# KiCad board NoU2-panelized.kicad_pcb (continued)
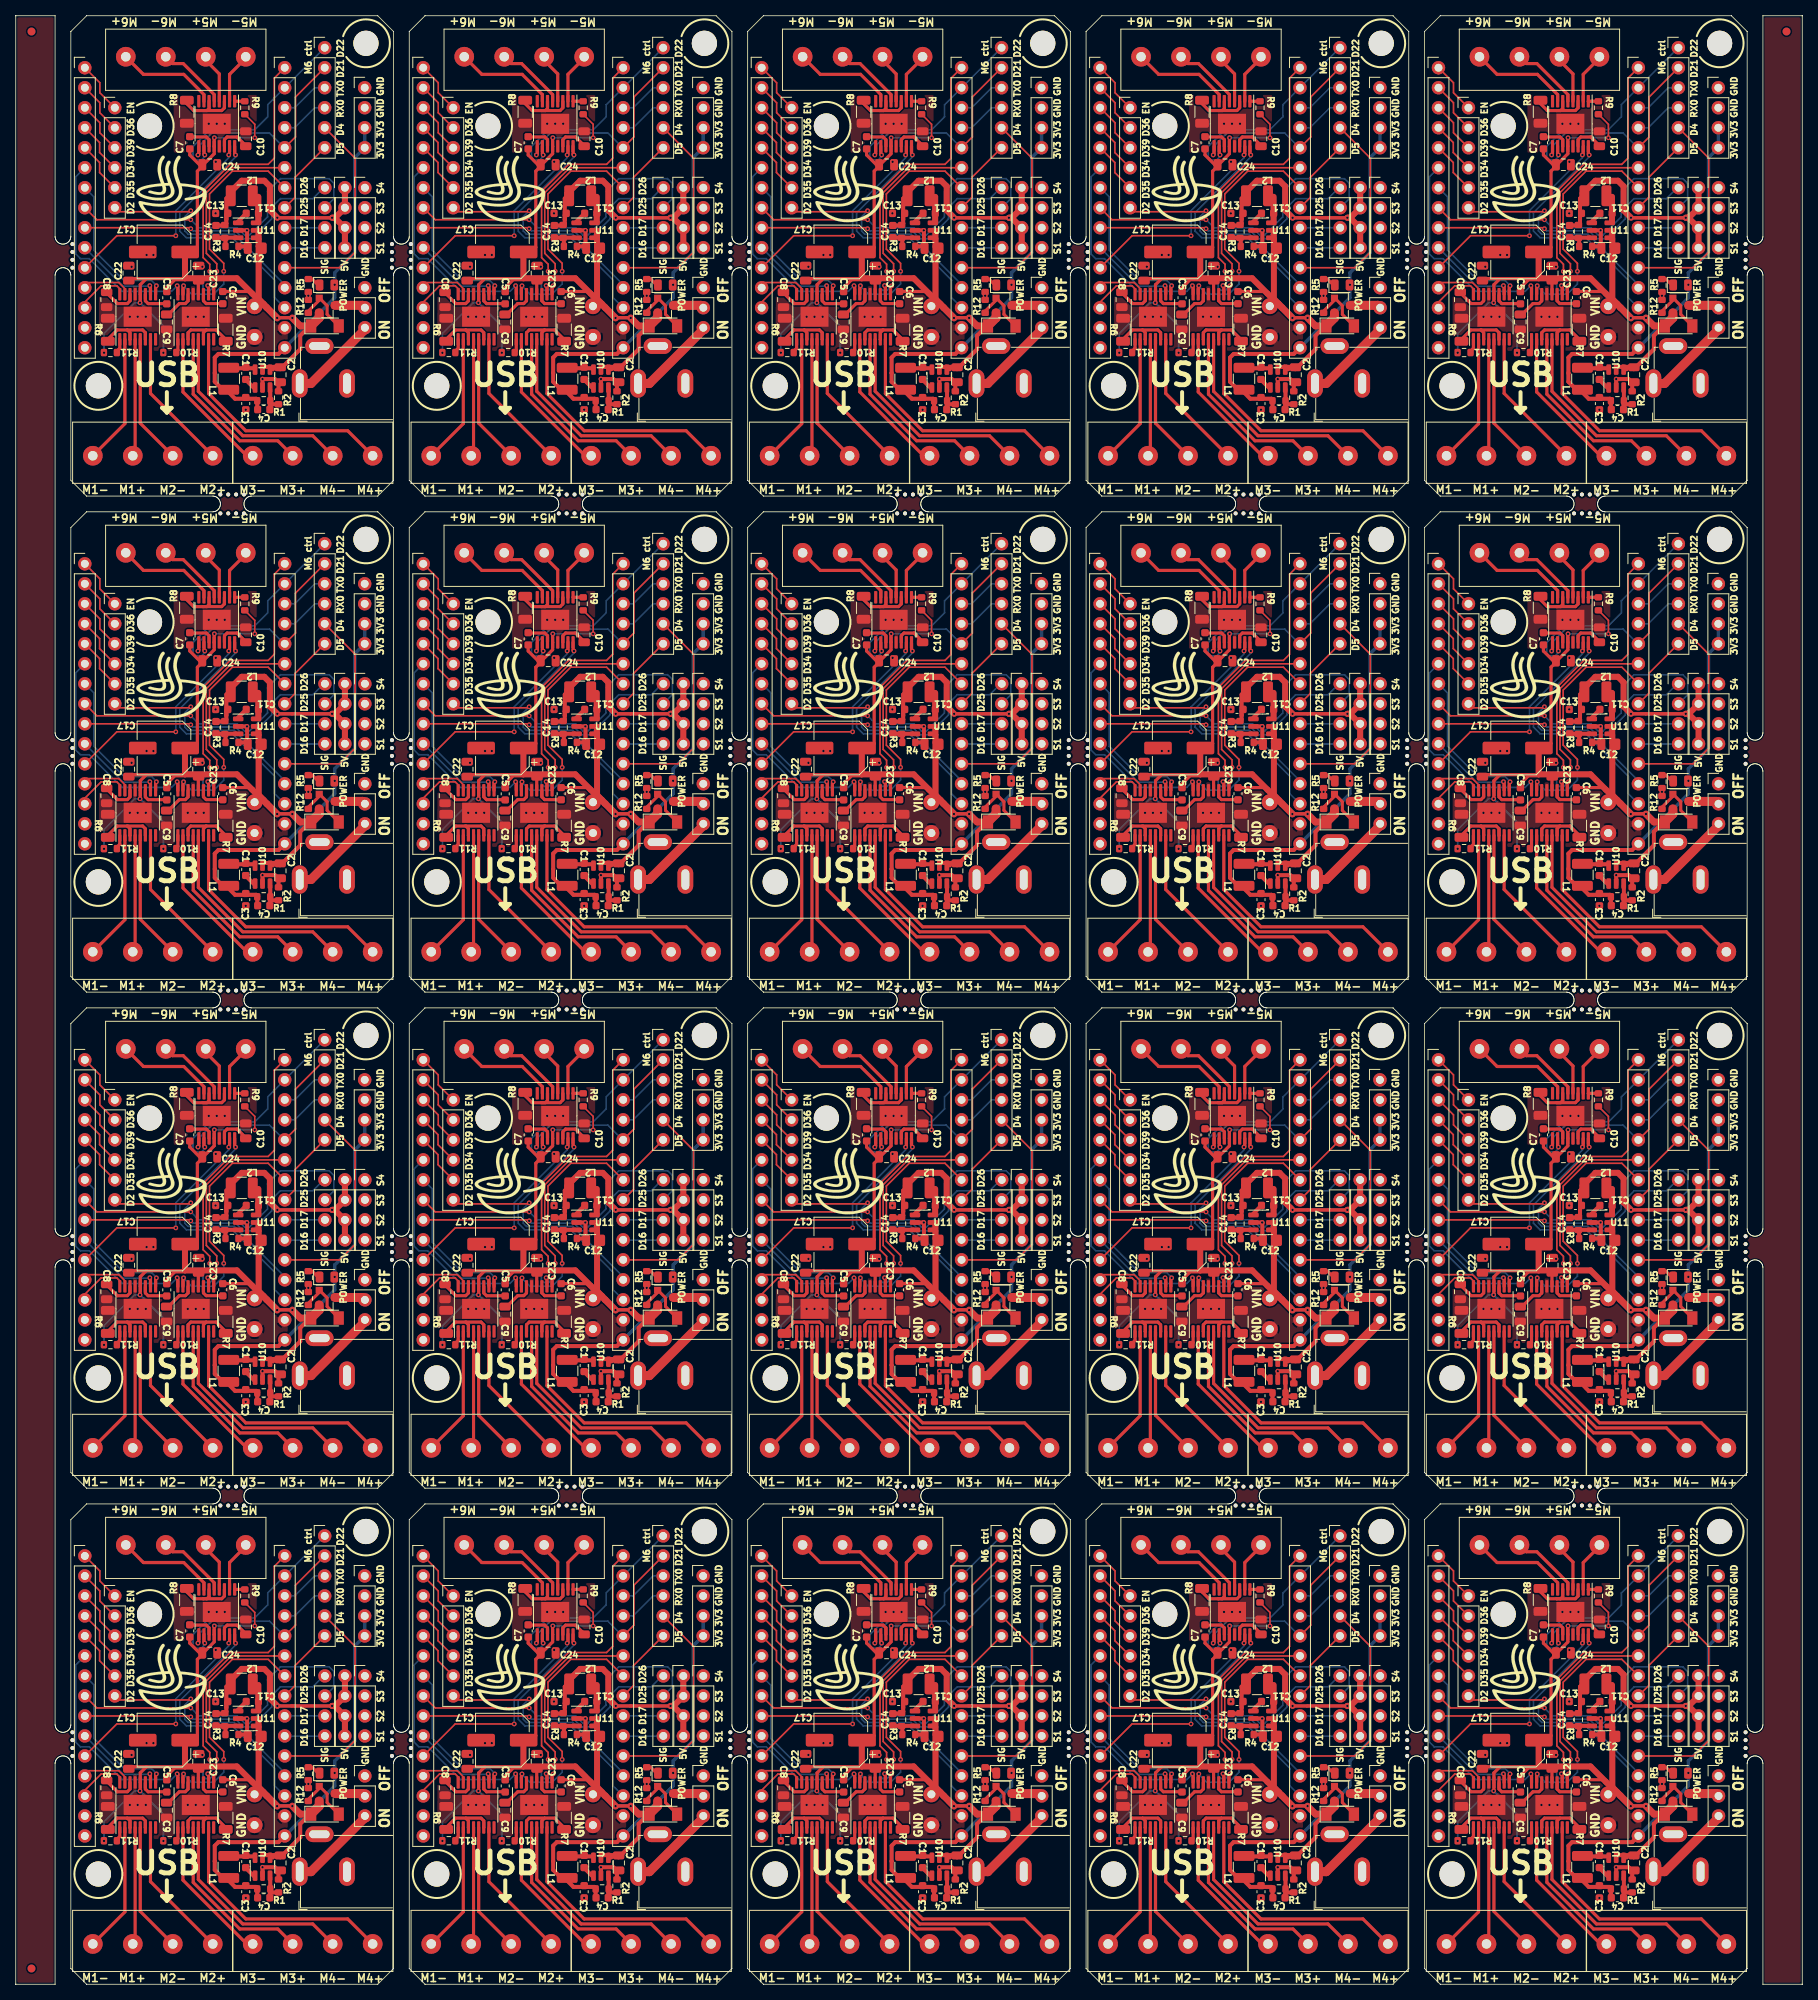
[diagram p0: board, top side]
## Routing (per net, layer and track width the routed paths; a pad name or vN(x,y) marks a point on that pad's centre or on a via; arc(x,y) is an arc through that point) (continued)
Board_6-Net-(R6-Pad2): length 7.8
  Top w0.399: 57.18,147.1 55.89,147.1 54.7,145.91 R6#3.2 ; 57.18,147.1 57.52,146.75 U1#11.3 57.52,145.91 ; 57.18,147.1 59.13,147.1 59.47,146.75 U1#11.6 59.47,145.91
Board_6-Net-(R7-Pad2): length 7.8
  Top w0.399: 67.19,147.1 68.47,147.1 69.69,145.89 R7#8.2 ; 67.19,147.1 66.85,146.75 U3#13.6 66.84,145.9 ; 67.19,147.1 65.24,147.1 64.9,146.75 U3#13.3 64.9,145.91
Board_6-Net-(R8-Pad2): length 8.5
  Top w0.399: U2#10.6 67.57,175.23 67.3,174.96 66.79,174.96 ; 66.79,174.96 69.17,174.96 69.52,175.3 U2#10.3 ; 66.79,174.96 65.61,174.96 64.73,175.83 64.73,176.4
Board_6-Net-(R9-Pad1): length 1.3
  Top w0.399: R9#17.1 70.82,176.14 U2#10.1
Board_6-Net-(R10-Pad1): length 1.7
  Top w0.399: U3#13.1 63.6,144.53 63.4,144.33
Board_6-Net-(R11-Pad1): length 1.8
  Top w0.399: U1#11.1 56.22,144.77 55.78,144.33
Board_6-RX0: length 6.1
  Bottom w0.203: J1#2.4 80.99,175.32 78.45,172.78 J11#13.4
Board_6-TX0: length 6.1
  Bottom w0.203: J11#13.3 78.45,175.32 80.99,177.86 J1#2.3
Board_6-VIN: length 111
  Top w0.203: R9#17.2 73.37,173.22 v1(73.37,171.51)
  Top w0.25: J14#11.1 74.71,150.12 74.9,149.93
  Top w0.399: 73.04,151.72 72.78,151.98 C6#10.1 ; C24#14.1 66.36,168.08 65.11,169.32 C7#11.1 ; C24#14.1 66.7,167.89 66.08,167.26 66.08,157.59 65.49,157 C17#11.1 ; C24#14.1 66.82,168.08 68.22,169.48 U2#10.12 68.21,170.43 68.21,171.51 ; 62.19,151.96 62.19,152.46 63.16,153.42 ; C22#14.1 57.6,153.6 ; 72.01,174.4 R9#17.2 ; 57.65,153.62 59.62,153.62 ; U3#13.12 66.2,153.36 66.21,153.36 ; 58.81,150.55 58.82,150.56 U1#11.12 58.82,152.84 59.6,153.62 64.54,153.62 ; 64.49,153.47 63.31,153.47
  Top w0.432: v1(78.14,148.62) 78.11,148.65 76.25,148.65 v1(76.21,148.62)
  Top w0.508: 76.6,142.11 76.77,142.28 76.78,142.28 79.15,144.65 79.15,146.37 80.38,147.6 D2#10.1 ; 73.86,156.72 73.86,156.95 C12#8.2 ; 76.52,142.41 75.61,142.41 ; 73.86,158.61 73.68,158.8 ; 75.53,142.27 75.69,142.11 ; 74.65,142.4 75.27,142.4
  Top w0.762: C17#11.1 64.5,156.97 64.5,153.66 ; 64.57,153.66 71.1,153.66 73.66,151.1 73.74,151.1 ; 73.86,158.61 73.86,150.97 74.46,150.37 ; 73.85,158.7 73.85,159.65
  Top w0.864: v1(76.21,148.62) 73.74,151.1 ; v1(78.14,148.62) 79.16,147.6 D2#10.1
  Top w1.143: D2#10.1 81.56,148.63 Q1#13.2
  Bottom w0.203: 68.21,171.51 v1(73.37,171.51) ; v1(58.79,150.55) 58.13,150.55 54.22,146.64 v1(54.22,144.2)
  Bottom w0.25: v1(61.76,144.2) 61.76,147.58 v1(58.79,150.55)
  Bottom w0.432: v1(76.21,148.62) 76.25,148.65 78.11,148.65 v1(78.14,148.62)
  vias: v1(68.24,171.51)
Board_7-3V3: length 53
  Top w0.508: R1.1 116.69,137.04 ; J11.15 119.39,144.05 111.75,144.05 111.29,143.59 111.29,141.63 111.29,141.63 111.29,140.52 112.56,139.25 113.2,139.25 ; 113.07,139.37 112.94,139.5 112.94,139.29 113.87,138.36 116.56,138.36 116.81,138.11 ; 116.81,137.04 116.86,136.99
  Bottom w0.432: J3#10.3 J3#10.4 129.09,168.99 129.09,156.92 126.53,154.36 v1(126.53,152.84) 126.53,151.19 J11.15
Board_7-5V: length 40.3
  Top w0.432: v1(126.2,161.35) v1(119.24,161.35)
  Top w0.508: 112.76,161.14 112.76,161.69 112.98,161.9 112.98,162.1 ; 112.76,161.14 112.76,160.63 R3.1 112.5,160.37 C14#7.2 ; 112.76,161.14 112.76,163.79 113.11,164.14
  Top w0.762: v1(119.24,161.35) 118.3,162.29 118.3,165.33 117.59,166.05 115.58,166.05 115.57,166.05 114.72,166.05 113.11,164.43 113.11,164.14 ; J12#9.1 127.82,162.59 126.58,161.35 v1(126.2,161.35) 126.53,161.35 127.82,160.05 127.82,157.51
  Bottom w0.432: v1(119.24,161.35) v1(126.2,161.35)
Board_7-/Sheet6057E9B8/D16: length 5.1
  Top w0.203: 120.21,157.51 J11.10
  Bottom w0.203: 125.28,157.51 120.21,157.51
Board_7-/Sheet6057E9B8/D17: length 5.1
  Top w0.203: 125.25,160.08 125.28,160.05
  Bottom w0.203: J11.9 125.25,160.08
Board_7-/Sheet6057E9B8/D34: length 6.7
  Top w0.203: J10#6.4 96.66,170.9 96.66,169.63 98.59,167.7
Board_7-/Sheet6057E9B8/D35: length 6.7
  Top w0.203: J10#6.5 96.66,168.36 96.66,167.09 98.59,165.16
Board_7-/Sheet6057E9B8/D36: length 6.7
  Top w0.203: J10#6.2 96.68,175.95 96.68,174.68 98.59,172.78
Board_7-/Sheet6057E9B8/D39: length 6.7
  Top w0.203: J10#6.3 96.68,173.41 96.68,172.14 98.59,170.24
Board_7-/Sheet6057E9B8/EN: length 7.3
  Top w0.203: J10#6.1 96.68,178.49 96.68,177.22 98.59,175.32
  Top w0.399: 94.78,179.76 J10#6.1
Board_7-D2: length 28.7
  Top w0.203: J4#18.6 99.1,162.11 108.11,162.11 v1(108.24,162.24)
  Bottom w0.203: J11.12 120.18,152.84 113.77,159.25 107.9,159.25 107.48,159.67 107.48,161.47 v1(108.24,162.24)
Board_7-D4: length 27.2
  Top w0.203: J1#10.5 129.12,168.92 129.12,156.98 127.14,155 J11.11
Board_7-D5: length 9.7
  Top w0.203: J11.8 121.5,163.94 121.5,166.48 J1#10.6
Board_7-D25: length 41.8
  Top w0.203: J10#6.8 96.3,161.09 v1(108.24,161.09)
  Bottom w0.203: J2#5.2 126.44,163.77 126.44,165.71 125.83,166.31 119.63,166.31 118,164.68 118,161.46 115.68,159.14 115.08,159.14 114.15,160.08 109.26,160.08 v1(108.24,161.09)
Board_7-D26: length 34.6
  Top w0.203: v1(108.24,159.95) 108.15,160.08 J10#6.9
  Bottom w0.203: J2#5.1 125.13,165.16 123.75,163.77 119.63,163.77 118.53,162.67 118.53,161.22 115.99,158.68 114.91,158.68 113.91,159.67 108.52,159.67 v1(108.24,159.95)
Board_7-GND: length 10.3
  Top w0.508: R12#2.2 R5#16.1 123.15,151.88 ; 115.32,136.98 115.32,136.98 ; 114.06,159.75 v1(115.38,159.75) 115.4,159.72 115.4,157.8 115.31,157.71 R4#8.2 ; R2#18.2 119.39,140.24 C2#12.1 119.33,140.46 118.93,140.86 v1(117.36,140.86) 117.36,139.61
  vias: v1(100.49,148.77) v1(100.72,155.12) v1(101.5,148.77) v1(102.53,148.77) v1(102.63,156.62) v1(103.49,156.62) v1(107.86,148.77) v1(108.88,148.77) v1(109.71,155.12) v1(109.89,148.77) v1(110.53,173.28) v1(111.42,168.46) v1(111.39,161.9) v1(111.54,173.28) v1(112.56,173.28) v1(115.22,136.96) v1(123.18,151.44)
Board_7-M1A: length 6.9
  Top w0.203: J10#6.13 94.78,150.63 96.85,152.7 98.85,152.7 99.22,152.33 U1#6.16
Board_7-M1B: length 6.8
  Top w0.203: J10#6.12 94.78,153.12 99.1,153.12 99.87,152.34 U1#6.15
Board_7-M2A: length 11.3
  Top w0.399: 103.03,152.66 103.12,152.57 U1#6.10
  Bottom w0.203: J10#6.10 99.65,152.66 103.03,152.66
  vias: v1(103.03,152.72)
Board_7-M2B: length 19.4
  Top w0.399: 103.87,152.66 103.77,152.56 U1#6.9
  Bottom w0.203: 103.87,152.72 103.87,152.66 v1(103.87,152.71) 103.87,152.76 103.26,153.37 99.78,153.37 95.93,157.22 95.93,164 J10#6.7
Board_7-M3A: length 27.6
  Top w0.399: U3#19.16 106.6,152.57 106.51,152.66
  Bottom w0.203: J10#6.6 93.63,166.54 93.63,156.75 94.23,156.15 95.35,156.15 99.5,152 105.79,152 v1(106.51,152.72)
Board_7-M3B: length 30.9
  Top w0.203: J11.7 118.07,167.26 113.52,167.26 110.62,164.36 110.62,157.36 112.43,155.55 v1(112.43,154.54) ; 107.25,152.58 107.33,152.66
  Top w0.399: U3#19.15 107.25,152.58
  Bottom w0.203: 107.33,152.66 108.34,151.65 111.15,151.65 112.43,152.93 v1(112.43,154.54)
  vias: v1(107.33,152.71)
Board_7-M4A: length 25.2
  Top w0.203: v1(111.54,154.54) 111.54,155.5 110.22,156.83 110.22,164.53 113.39,167.7 J11.6
  Top w0.399: U3#19.10 110.5,152.56 110.4,152.66
  Bottom w0.203: 110.4,152.66 110.4,152.67 111.54,153.82 v1(111.54,154.54)
  vias: v1(110.4,152.74)
Board_7-M4B: length 38.7
  Top w0.203: J11.1 118.86,179.08 118.86,168.92 118.07,168.13 113.24,168.13 109.81,164.7 109.81,156.28 110.65,155.44 v1(110.65,154.54)
  Top w0.399: 111.26,152.66 111.15,152.55 U3#19.9
  Bottom w0.203: v1(110.65,154.54) 110.65,153.98 109.79,153.12 109.79,152.44 110.11,152.13 110.71,152.13 v1(111.29,152.71)
Board_7-M5A: length 32.5
  Top w0.399: U2#5.16 113.82,169.43 v1(113.93,169.32) 113.93,169.37
  Bottom w0.203: J11.13 120.17,149.92 118.91,151.19 118.91,153.41 113.51,158.81 107.69,158.81 106.84,159.65 106.84,161.98 113.93,169.07 v1(113.93,169.32)
Board_7-M5B: length 27.4
  Top w0.203: v1(106.33,159.06) 98.84,159.06 J10#6.11
  Top w0.399: 113.07,169.37 113.17,169.47 U2#5.15
  Bottom w0.203: v1(106.33,159.06) 106.33,162.24 113.07,168.97 113.07,169.37
  vias: v1(113.07,169.32)
Board_7-M6A: length 27.3
  Top w0.203: 125.25,182.94 J1#10.1
  Top w0.399: U2#5.10 109.92,169.47 110.02,169.37
  Bottom w0.203: 125.25,182.94 J11.2 118.02,175.7 118.02,174.17 116.37,172.52 110.65,172.52 108.52,170.39 108.52,169.02 108.85,168.69 109.59,168.69 110.02,169.12 v1(110.02,169.32)
Board_7-M6B: length 26.9
  Top w0.203: J1#10.2 121.55,176.69 121.55,171.61 J11.5
  Top w0.399: U2#5.9 109.27,169.49 109.15,169.37
  Bottom w0.203: 109.15,169.37 109.27,169.49 109.27,170.46 110.92,172.11 118.24,172.11 120.11,170.24 J11.5
  vias: v1(109.15,169.32)
Board_7-Net-(C1-Pad1): length 3.3
  Top w0.508: 116.43,142.23 113.15,142.23
Board_7-Net-(C1-Pad2): length 1.7
  Top w0.508: 115.2,140.8 116.37,139.63 ; 115.33,140.81 115.33,140.78
Board_7-Net-(C4-Pad1): length 4.1
  Top w0.508: 118.29,138.06 118.29,137.84 118.46,137.66 R2#18.1 ; 118.29,138.06 R1.2 118.34,139.59 ; 118.29,138.06 C4#5.1 ; 118.41,138.06 118.46,138.11
Board_7-Net-(C5-Pad2): length 3.7
  Top w0.399: U1#6.11 102.47,150.79 102.82,150.44 105.16,150.44 C5#7.2
Board_7-Net-(C6-Pad2): length 3.4
  Top w0.399: C6#20.2 112.28,150.45 110.19,150.45 109.85,150.79 U3#19.11
Board_7-Net-(C7-Pad2): length 3.5
  Top w0.399: C7#9.2 108.15,171.61 110.22,171.61 110.57,171.27 U2#5.11
Board_7-Net-(C8-Pad1): length 4.6
  Top w0.399: U1#6.14 100.52,150.79 100.18,150.45 98.91,150.45 97.55,151.81 C8#2.1
Board_7-Net-(C9-Pad1): length 4.3
  Top w0.399: U3#19.14 107.9,150.79 107.56,150.45 106.78,150.45 105.4,149.06 C9#3.1
Board_7-Net-(C10-Pad1): length 4.2
  Top w0.399: U2#5.14 112.52,171.27 112.86,171.61 114.12,171.61 115.22,170.51 C10#14.1
Board_7-Net-(C11-Pad1): length 3.5
  Top w0.508: 116.68,161.75 C11#15.1 116.7,162.04 ; 116.7,163.99 116.65,164.04
  Top w0.762: 116.83,162.06 116.83,164 ; 116.83,160.81 116.83,161.86
Board_7-Net-(C11-Pad2): length 1.7
  Top w0.508: C11#15.2 114.08,160.7 114.06,160.7
Board_7-Net-(C14-Pad1): length 3.7
  Top w0.508: 114.06,158.8 114.04,158.82 C14#7.1 ; R3.2 112.65,158.69 R4#8.1
Board_7-Net-(D1-Pad1): length 1.6
  Top w0.381: 123.35,153.56 123.67,153.56 124.42,152.81 D1.1
Board_7-Net-(D2-Pad2): length 7.2
  Top w0.381: D2#18.2 125.56,149.08 125.56,150.17 Q1#15.1 124.56,150.87 123.2,149.51 123.2,149.27
  Top w0.508: Q1#15.1 124.43,151.17
Board_7-Net-(J6-Pad1): length 16.5
  Top w0.399: U1#6.2 99.87,135.2 J6#14.1
Board_7-Net-(J6-Pad2): length 14.9
  Top w0.399: U1#6.4 101.17,131.42 J6#14.2
Board_7-Net-(J6-Pad3): length 16.5
  Top w0.399: J6#14.3 101.82,135.25 U1#6.5
Board_7-Net-(J6-Pad4): length 18.1
  Top w0.399: U1#6.7 103.12,139.03 J6#14.4
Board_7-Net-(J7-Pad1): length 18.9
  Top w0.399: U3#19.2 107.25,139.22 115.35,131.12 J7#11.1
Board_7-Net-(J7-Pad2): length 22.9
  Top w0.399: U3#19.4 108.55,138.94 114.47,133.02 119.29,133.02 J7#11.2
Board_7-Net-(J7-Pad3): length 27.1
  Top w0.399: J7#11.3 123.73,133.66 114.84,133.66 109.2,139.3 U3#19.5
Board_7-Net-(J7-Pad4): length 31
  Top w0.399: U3#19.7 110.5,139.02 115.22,134.29 128.18,134.29 J7#11.4
Board_7-Net-(J8-Pad1): length 6.5
  Top w0.399: J8#3.1 115.22,181.62 113.17,179.56 U2#5.2
Board_7-Net-(J8-Pad2): length 6.4
  Top w0.399: U2#5.4 111.87,179.61 110.14,181.34 J8#3.2
Board_7-Net-(J8-Pad3): length 9
  Top w0.399: U2#5.5 111.22,176.99 107.28,180.93 105.93,180.93 J8#3.3
Board_7-Net-(J8-Pad4): length 12.8
  Top w0.399: U2#5.7 109.92,176.99 107.35,179.56 102.22,179.56 J8#3.4
Board_7-Net-(J9-Pad1): length 11.3
  Top w1.143: J9#11.1 123.52,140.3 130.34,147.12 130.34,147.38
Board_7-Net-(Q1-Pad3): length 3.9
  Top w1.143: U8#19.2 130.06,150.22 Q1#15.3
Board_7-Net-(R6-Pad2): length 7.8
  Top w0.399: 102.47,145.91 U1#6.6 102.47,146.75 102.13,147.1 100.18,147.1 ; R6#10.2 97.7,145.91 98.89,147.1 100.18,147.1 ; 100.18,147.1 100.52,146.75 U1#6.3 100.52,145.91
Board_7-Net-(R7-Pad2): length 7.8
  Top w0.399: 110.19,147.1 109.85,146.75 U3#19.6 109.84,145.9 ; 110.19,147.1 108.24,147.1 107.9,146.75 U3#19.3 107.9,145.91 ; 110.19,147.1 111.47,147.1 112.69,145.89 R7#4.2
Board_7-Net-(R8-Pad2): length 8.5
  Top w0.399: 109.79,174.96 110.3,174.96 110.57,175.23 U2#5.6 ; 109.79,174.96 112.17,174.96 112.52,175.3 U2#5.3 ; 109.79,174.96 108.61,174.96 107.73,175.83 107.73,176.4
Board_7-Net-(R9-Pad1): length 1.3
  Top w0.399: U2#5.1 113.82,176.14 R9#13.1
Board_7-Net-(R10-Pad1): length 1.7
  Top w0.399: 106.4,144.33 106.6,144.53 U3#19.1
Board_7-Net-(R11-Pad1): length 1.8
  Top w0.399: 98.78,144.33 99.22,144.77 U1#6.1
Board_7-RX0: length 6.1
  Bottom w0.203: J1#10.4 123.99,175.32 121.45,172.78 J11.4
Board_7-TX0: length 6.1
  Bottom w0.203: J1#10.3 123.99,177.86 121.45,175.32 J11.3
Board_7-VIN: length 111
  Top w0.203: R9#13.2 116.37,173.22 v1(116.37,171.51)
  Top w0.25: J14#10.1 117.71,150.12 117.9,149.93
  Top w0.399: C24#8.1 109.36,168.08 108.11,169.32 C7#9.1 ; C24#8.1 109.82,168.08 111.22,169.48 U2#5.12 111.21,170.43 111.21,171.51 ; C24#8.1 109.7,167.89 109.08,167.26 109.08,157.59 108.49,157 C17#14.1 ; 100.65,153.62 102.62,153.62 ; 101.81,150.55 101.82,150.56 U1#6.12 101.82,152.84 102.6,153.62 107.54,153.62 ; 105.19,151.96 105.19,152.46 106.16,153.42 ; 107.49,153.47 106.31,153.47 ; U3#19.12 109.2,153.36 109.21,153.36 ; C22.1 100.6,153.6 ; 115.01,174.4 R9#13.2 ; C6#20.1 115.78,151.98 116.04,151.72
  Top w0.432: v1(119.21,148.62) 119.25,148.65 121.11,148.65 v1(121.14,148.62)
  Top w0.508: 116.86,156.72 116.86,156.95 C12#10.2 ; 116.86,158.61 116.68,158.8 ; D2#18.1 123.38,147.6 122.15,146.37 122.15,144.65 119.78,142.28 119.77,142.28 119.6,142.11 ; 118.53,142.27 118.69,142.11 ; 119.52,142.41 118.61,142.41 ; 117.65,142.4 118.27,142.4
  Top w0.762: 116.86,158.61 116.86,150.97 117.46,150.37 ; 116.74,151.1 116.66,151.1 114.1,153.66 107.57,153.66 ; C17#14.1 107.5,156.97 107.5,153.66 ; 116.85,158.7 116.85,159.65
  Top w0.864: v1(121.14,148.62) 122.16,147.6 D2#18.1 ; 116.74,151.1 v1(119.21,148.62)
  Top w1.143: Q1#15.2 124.56,148.63 D2#18.1
  Bottom w0.203: 111.21,171.51 v1(116.37,171.51) ; v1(97.22,144.2) 97.22,146.64 101.13,150.55 v1(101.79,150.55)
  Bottom w0.25: v1(104.76,144.2) 104.76,147.58 v1(101.79,150.55)
  Bottom w0.432: v1(121.14,148.62) 121.11,148.65 119.25,148.65 v1(119.21,148.62)
  vias: v1(111.24,171.51)
Board_8-3V3: length 53
  Top w0.508: J11#15.15 162.39,144.05 154.75,144.05 154.29,143.59 154.29,141.63 154.29,141.63 154.29,140.52 155.56,139.25 156.2,139.25 ; 159.81,137.04 159.86,136.99 ; 159.81,138.11 159.56,138.36 156.87,138.36 155.94,139.29 155.94,139.5 156.07,139.37 ; R1#3.1 159.69,137.04
  Bottom w0.432: J3#6.3 J3#6.4 172.09,168.99 172.09,156.92 169.53,154.36 v1(169.53,152.84) 169.53,151.19 J11#15.15
Board_8-5V: length 40.3
  Top w0.432: v1(169.2,161.35) v1(162.24,161.35)
  Top w0.508: 155.76,161.14 155.76,163.79 156.11,164.14 ; 155.76,161.14 155.76,160.63 R3#17.1 155.5,160.37 C14#2.2 ; 155.76,161.14 155.76,161.69 155.98,161.9 155.98,162.1
  Top w0.762: v1(162.24,161.35) 161.3,162.29 161.3,165.33 160.59,166.05 158.58,166.05 158.57,166.05 157.72,166.05 156.11,164.43 156.11,164.14 ; 170.82,157.51 170.82,160.05 169.53,161.35 v1(169.2,161.35) 169.58,161.35 170.82,162.59 J12#5.1
  Bottom w0.432: v1(169.2,161.35) v1(162.24,161.35)
Board_8-/Sheet6057E9B8/D16: length 5.1
  Top w0.203: 163.21,157.51 J11#15.10
  Bottom w0.203: 168.28,157.51 163.21,157.51
Board_8-/Sheet6057E9B8/D17: length 5.1
  Top w0.203: 168.25,160.08 168.28,160.05
  Bottom w0.203: J11#15.9 168.25,160.08
Board_8-/Sheet6057E9B8/D34: length 6.7
  Top w0.203: J10#5.4 139.66,170.9 139.66,169.63 141.59,167.7
Board_8-/Sheet6057E9B8/D35: length 6.7
  Top w0.203: 141.59,165.16 139.66,167.09 139.66,168.36 J10#5.5
Board_8-/Sheet6057E9B8/D36: length 6.7
  Top w0.203: J10#5.2 139.68,175.95 139.68,174.68 141.59,172.78
Board_8-/Sheet6057E9B8/D39: length 6.7
  Top w0.203: 141.59,170.24 139.68,172.14 139.68,173.41 J10#5.3
Board_8-/Sheet6057E9B8/EN: length 7.3
  Top w0.203: J10#5.1 139.68,178.49 139.68,177.22 141.59,175.32
  Top w0.399: 137.78,179.76 J10#5.1
Board_8-D2: length 28.7
  Top w0.203: v1(151.24,162.24) 151.11,162.11 142.1,162.11 J4.6
  Bottom w0.203: v1(151.24,162.24) 150.48,161.47 150.48,159.67 150.9,159.25 156.77,159.25 163.18,152.84 J11#15.12
Board_8-D4: length 27.2
  Top w0.203: J1#11.5 172.12,168.92 172.12,156.98 170.14,155 J11#15.11
Board_8-D5: length 9.7
  Top w0.203: J1#11.6 164.5,166.48 164.5,163.94 J11#15.8
Board_8-D25: length 41.8
  Top w0.203: J10#5.8 139.3,161.09 v1(151.24,161.09)
  Bottom w0.203: v1(151.24,161.09) 152.26,160.08 157.15,160.08 158.08,159.14 158.68,159.14 161,161.46 161,164.68 162.63,166.31 168.83,166.31 169.44,165.71 169.44,163.77 J2#9.2
Board_8-D26: length 34.6
  Top w0.203: v1(151.24,159.95) 151.15,160.08 J10#5.9
  Bottom w0.203: v1(151.24,159.95) 151.52,159.67 156.91,159.67 157.91,158.68 158.99,158.68 161.53,161.22 161.53,162.67 162.63,163.77 166.75,163.77 168.13,165.16 J2#9.1
Board_8-GND: length 10.3
  Top w0.508: R4#17.2 158.31,157.71 158.4,157.8 158.4,159.72 v1(158.38,159.75) 157.06,159.75 ; 166.15,151.88 R5#15.1 R12#11.2 ; 158.32,136.98 158.32,136.98 ; R2#4.2 162.39,140.24 C2#7.1 162.33,140.46 161.93,140.86 v1(160.36,140.86) 160.36,139.61
  vias: v1(143.49,148.77) v1(143.72,155.12) v1(144.5,148.77) v1(145.53,148.77) v1(145.63,156.62) v1(146.49,156.62) v1(150.86,148.77) v1(151.88,148.77) v1(152.71,155.12) v1(152.89,148.77) v1(153.53,173.28) v1(154.41,168.46) v1(154.39,161.9) v1(154.54,173.28) v1(155.56,173.28) v1(158.22,136.96) v1(166.18,151.44)
Board_8-M1A: length 6.9
  Top w0.203: J10#5.13 137.78,150.63 139.85,152.7 141.85,152.7 142.22,152.33 U1#4.16
Board_8-M1B: length 6.8
  Top w0.203: J10#5.12 137.78,153.12 142.1,153.12 142.87,152.34 U1#4.15
Board_8-M2A: length 11.3
  Top w0.399: U1#4.10 146.12,152.57 146.03,152.66
  Bottom w0.203: 146.03,152.66 142.65,152.66 J10#5.10
  vias: v1(146.03,152.72)
Board_8-M2B: length 19.4
  Top w0.399: 146.87,152.66 146.77,152.56 U1#4.9
  Bottom w0.203: 146.87,152.72 146.87,152.66 v1(146.87,152.71) 146.87,152.76 146.26,153.37 142.78,153.37 138.93,157.22 138.93,164 J10#5.7
Board_8-M3A: length 27.6
  Top w0.399: U3#9.16 149.6,152.57 149.51,152.66
  Bottom w0.203: J10#5.6 136.63,166.54 136.63,156.75 137.23,156.15 138.35,156.15 142.5,152 148.79,152 v1(149.51,152.72)
Board_8-M3B: length 30.9
  Top w0.203: v1(155.43,154.54) 155.43,155.55 153.62,157.36 153.62,164.36 156.52,167.26 161.07,167.26 J11#15.7 ; 150.25,152.58 150.33,152.66
  Top w0.399: U3#9.15 150.25,152.58
  Bottom w0.203: v1(155.43,154.54) 155.43,152.93 154.15,151.65 151.34,151.65 150.33,152.66
  vias: v1(150.33,152.71)
Board_8-M4A: length 25.2
  Top w0.203: J11#15.6 156.39,167.7 153.22,164.53 153.22,156.83 154.54,155.5 v1(154.54,154.54)
  Top w0.399: U3#9.10 153.5,152.56 153.4,152.66
  Bottom w0.203: v1(154.54,154.54) 154.54,153.82 153.4,152.67 153.4,152.66
  vias: v1(153.4,152.74)
Board_8-M4B: length 38.7
  Top w0.203: v1(153.65,154.54) 153.65,155.44 152.81,156.28 152.81,164.7 156.24,168.13 161.07,168.13 161.86,168.92 161.86,179.08 J11#15.1
  Top w0.399: 154.26,152.66 154.15,152.55 U3#9.9
  Bottom w0.203: v1(154.29,152.71) 153.71,152.13 153.11,152.13 152.79,152.44 152.79,153.12 153.65,153.98 v1(153.65,154.54)
Board_8-M5A: length 32.5
  Top w0.399: 156.93,169.37 v1(156.93,169.32) 156.82,169.43 U2#12.16
  Bottom w0.203: v1(156.93,169.32) 156.93,169.07 149.84,161.98 149.84,159.65 150.69,158.81 156.51,158.81 161.91,153.41 161.91,151.19 163.17,149.92 J11#15.13
Board_8-M5B: length 27.4
  Top w0.203: v1(149.34,159.06) 141.84,159.06 J10#5.11
  Top w0.399: U2#12.15 156.17,169.47 156.07,169.37
  Bottom w0.203: v1(149.34,159.06) 149.34,162.24 156.07,168.97 156.07,169.37
  vias: v1(156.07,169.32)
Board_8-M6A: length 27.3
  Top w0.203: 168.25,182.94 J1#11.1
  Top w0.399: U2#12.10 152.92,169.47 153.02,169.37
  Bottom w0.203: 168.25,182.94 J11#15.2 161.02,175.7 161.02,174.17 159.37,172.52 153.65,172.52 151.52,170.39 151.52,169.02 151.85,168.69 152.59,168.69 153.02,169.12 v1(153.02,169.32)
Board_8-M6B: length 26.9
  Top w0.203: J11#15.5 164.55,171.61 164.55,176.69 J1#11.2
  Top w0.399: U2#12.9 152.27,169.49 152.15,169.37
  Bottom w0.203: J11#15.5 163.11,170.24 161.24,172.11 153.92,172.11 152.27,170.46 152.27,169.49 152.15,169.37
  vias: v1(152.15,169.32)
Board_8-Net-(C1-Pad1): length 3.3
  Top w0.508: 159.43,142.23 156.15,142.23
Board_8-Net-(C1-Pad2): length 1.7
  Top w0.508: 158.2,140.8 159.37,139.63 ; 158.33,140.81 158.33,140.78
Board_8-Net-(C4-Pad1): length 4.1
  Top w0.508: R2#4.1 161.46,137.66 161.29,137.84 161.29,138.06 ; 161.41,138.06 161.46,138.11 ; 161.34,139.59 R1#3.2 161.29,138.06 ; C4#6.1 161.29,138.06
Board_8-Net-(C5-Pad2): length 3.7
  Top w0.399: C5#14.2 148.16,150.44 145.82,150.44 145.47,150.79 U1#4.11
Board_8-Net-(C6-Pad2): length 3.4
  Top w0.399: C6#16.2 155.28,150.45 153.19,150.45 152.85,150.79 U3#9.11
Board_8-Net-(C7-Pad2): length 3.5
  Top w0.399: U2#12.11 153.57,171.27 153.22,171.61 151.15,171.61 C7#20.2
Board_8-Net-(C8-Pad1): length 4.6
  Top w0.399: U1#4.14 143.52,150.79 143.18,150.45 141.91,150.45 140.55,151.81 C8#20.1
Board_8-Net-(C9-Pad1): length 4.3
  Top w0.399: C9#2.1 148.4,149.06 149.78,150.45 150.56,150.45 150.9,150.79 U3#9.14
Board_8-Net-(C10-Pad1): length 4.2
  Top w0.399: C10#16.1 158.22,170.51 157.12,171.61 155.86,171.61 155.52,171.27 U2#12.14
Board_8-Net-(C11-Pad1): length 3.5
  Top w0.508: 159.7,163.99 159.65,164.04 ; 159.68,161.75 C11#14.1 159.7,162.04
  Top w0.762: 159.83,162.06 159.83,164 ; 159.83,160.81 159.83,161.86
Board_8-Net-(C11-Pad2): length 1.7
  Top w0.508: C11#14.2 157.08,160.7 157.06,160.7
Board_8-Net-(C14-Pad1): length 3.7
  Top w0.508: R3#17.2 155.65,158.69 R4#17.1 ; C14#2.1 157.04,158.82 157.06,158.8
Board_8-Net-(D1-Pad1): length 1.6
  Top w0.381: D1#11.1 167.42,152.81 166.67,153.56 166.35,153.56
Board_8-Net-(D2-Pad2): length 7.2
  Top w0.381: D2#20.2 168.56,149.08 168.56,150.17 Q1#20.1 167.56,150.87 166.2,149.51 166.2,149.27
  Top w0.508: Q1#20.1 167.43,151.17
Board_8-Net-(J6-Pad1): length 16.5
  Top w0.399: U1#4.2 142.87,135.2 J6#2.1
Board_8-Net-(J6-Pad2): length 14.9
  Top w0.399: U1#4.4 144.17,131.42 J6#2.2
Board_8-Net-(J6-Pad3): length 16.5
  Top w0.399: J6#2.3 144.82,135.25 U1#4.5
Board_8-Net-(J6-Pad4): length 18.1
  Top w0.399: U1#4.7 146.12,139.03 J6#2.4
Board_8-Net-(J7-Pad1): length 18.9
  Top w0.399: U3#9.2 150.25,139.22 158.35,131.12 J7#13.1
Board_8-Net-(J7-Pad2): length 22.9
  Top w0.399: U3#9.4 151.55,138.94 157.47,133.02 162.29,133.02 J7#13.2
Board_8-Net-(J7-Pad3): length 27.1
  Top w0.399: J7#13.3 166.73,133.66 157.84,133.66 152.2,139.3 U3#9.5
Board_8-Net-(J7-Pad4): length 31
  Top w0.399: U3#9.7 153.5,139.02 158.22,134.29 171.18,134.29 J7#13.4
Board_8-Net-(J8-Pad1): length 6.5
  Top w0.399: J8#17.1 158.22,181.62 156.17,179.56 U2#12.2
Board_8-Net-(J8-Pad2): length 6.4
  Top w0.399: U2#12.4 154.87,179.61 153.15,181.34 J8#17.2
Board_8-Net-(J8-Pad3): length 9
  Top w0.399: U2#12.5 154.22,176.99 150.28,180.93 148.93,180.93 J8#17.3
Board_8-Net-(J8-Pad4): length 12.8
  Top w0.399: J8#17.4 145.22,179.56 150.35,179.56 152.92,176.99 U2#12.7
Board_8-Net-(J9-Pad1): length 11.3
  Top w1.143: J9#5.1 166.52,140.3 173.34,147.12 173.34,147.38
Board_8-Net-(Q1-Pad3): length 3.9
  Top w1.143: U8#17.2 173.06,150.22 Q1#20.3
Board_8-Net-(R6-Pad2): length 7.8
  Top w0.399: 143.18,147.1 143.52,146.75 U1#4.3 143.52,145.91 ; 143.18,147.1 145.13,147.1 145.47,146.75 U1#4.6 145.47,145.91 ; 143.18,147.1 141.89,147.1 140.7,145.91 R6.2
Board_8-Net-(R7-Pad2): length 7.8
  Top w0.399: 153.19,147.1 151.24,147.1 150.9,146.75 U3#9.3 150.9,145.91 ; 153.19,147.1 154.47,147.1 155.69,145.89 R7#18.2 ; 153.19,147.1 152.85,146.75 U3#9.6 152.84,145.9
Board_8-Net-(R8-Pad2): length 8.5
  Top w0.399: 152.79,174.96 155.17,174.96 155.52,175.3 U2#12.3 ; 152.79,174.96 153.3,174.96 153.57,175.23 U2#12.6 ; 152.79,174.96 151.61,174.96 150.73,175.83 150.73,176.4
Board_8-Net-(R9-Pad1): length 1.3
  Top w0.399: R9#8.1 156.82,176.14 U2#12.1
Board_8-Net-(R10-Pad1): length 1.7
  Top w0.399: U3#9.1 149.6,144.53 149.4,144.33
Board_8-Net-(R11-Pad1): length 1.8
  Top w0.399: 141.78,144.33 142.22,144.77 U1#4.1
Board_8-RX0: length 6.1
  Bottom w0.203: J11#15.4 164.45,172.78 166.99,175.32 J1#11.4
Board_8-TX0: length 6.1
  Bottom w0.203: J11#15.3 164.45,175.32 166.99,177.86 J1#11.3
Board_8-VIN: length 111
  Top w0.203: v1(159.37,171.51) 159.37,173.22 R9#8.2
  Top w0.25: J14#9.1 160.71,150.12 160.9,149.93
  Top w0.399: 143.65,153.62 145.62,153.62 ; C7#20.1 151.11,169.32 152.36,168.08 C24#6.1 ; 150.54,153.62 145.6,153.62 144.82,152.84 U1#4.12 144.82,150.56 144.81,150.55 ; C6#16.1 158.78,151.98 159.04,151.72 ; C24#6.1 152.7,167.89 152.08,167.26 152.08,157.59 151.49,157 C17#17.1 ; C24#6.1 152.82,168.08 154.22,169.48 U2#12.12 154.21,170.43 154.21,171.51 ; 158.01,174.4 R9#8.2 ; 150.49,153.47 149.31,153.47 ; U3#9.12 152.2,153.36 152.21,153.36 ; C22#12.1 143.6,153.6 ; 149.16,153.42 148.19,152.46 148.19,151.96
  Top w0.432: v1(162.21,148.62) 162.25,148.65 164.11,148.65 v1(164.14,148.62)
  Top w0.508: 160.65,142.4 161.27,142.4 ; 159.86,158.61 159.68,158.8 ; 159.86,156.72 159.86,156.95 C12#4.2 ; 161.53,142.27 161.69,142.11 ; 162.52,142.41 161.61,142.41 ; D2#20.1 166.38,147.6 165.15,146.37 165.15,144.65 162.78,142.28 162.77,142.28 162.6,142.11
  Top w0.762: 160.46,150.37 159.86,150.97 159.86,158.61 ; C17#17.1 150.5,156.97 150.5,153.66 ; 159.74,151.1 159.66,151.1 157.1,153.66 150.57,153.66 ; 159.85,158.7 159.85,159.65
  Top w0.864: 159.74,151.1 v1(162.21,148.62) ; D2#20.1 165.16,147.6 v1(164.14,148.62)
  Top w1.143: D2#20.1 167.56,148.63 Q1#20.2
  Bottom w0.203: 154.21,171.51 v1(159.37,171.51) ; v1(140.22,144.2) 140.22,146.64 144.13,150.55 v1(144.79,150.55)
  Bottom w0.25: v1(144.79,150.55) 147.76,147.58 v1(147.76,144.2)
  Bottom w0.432: v1(162.21,148.62) 162.25,148.65 164.11,148.65 v1(164.14,148.62)
  vias: v1(154.24,171.51)
